# Altium PCB Fastino-DIOT.PCBDOC (part 1 of 22) (continued)
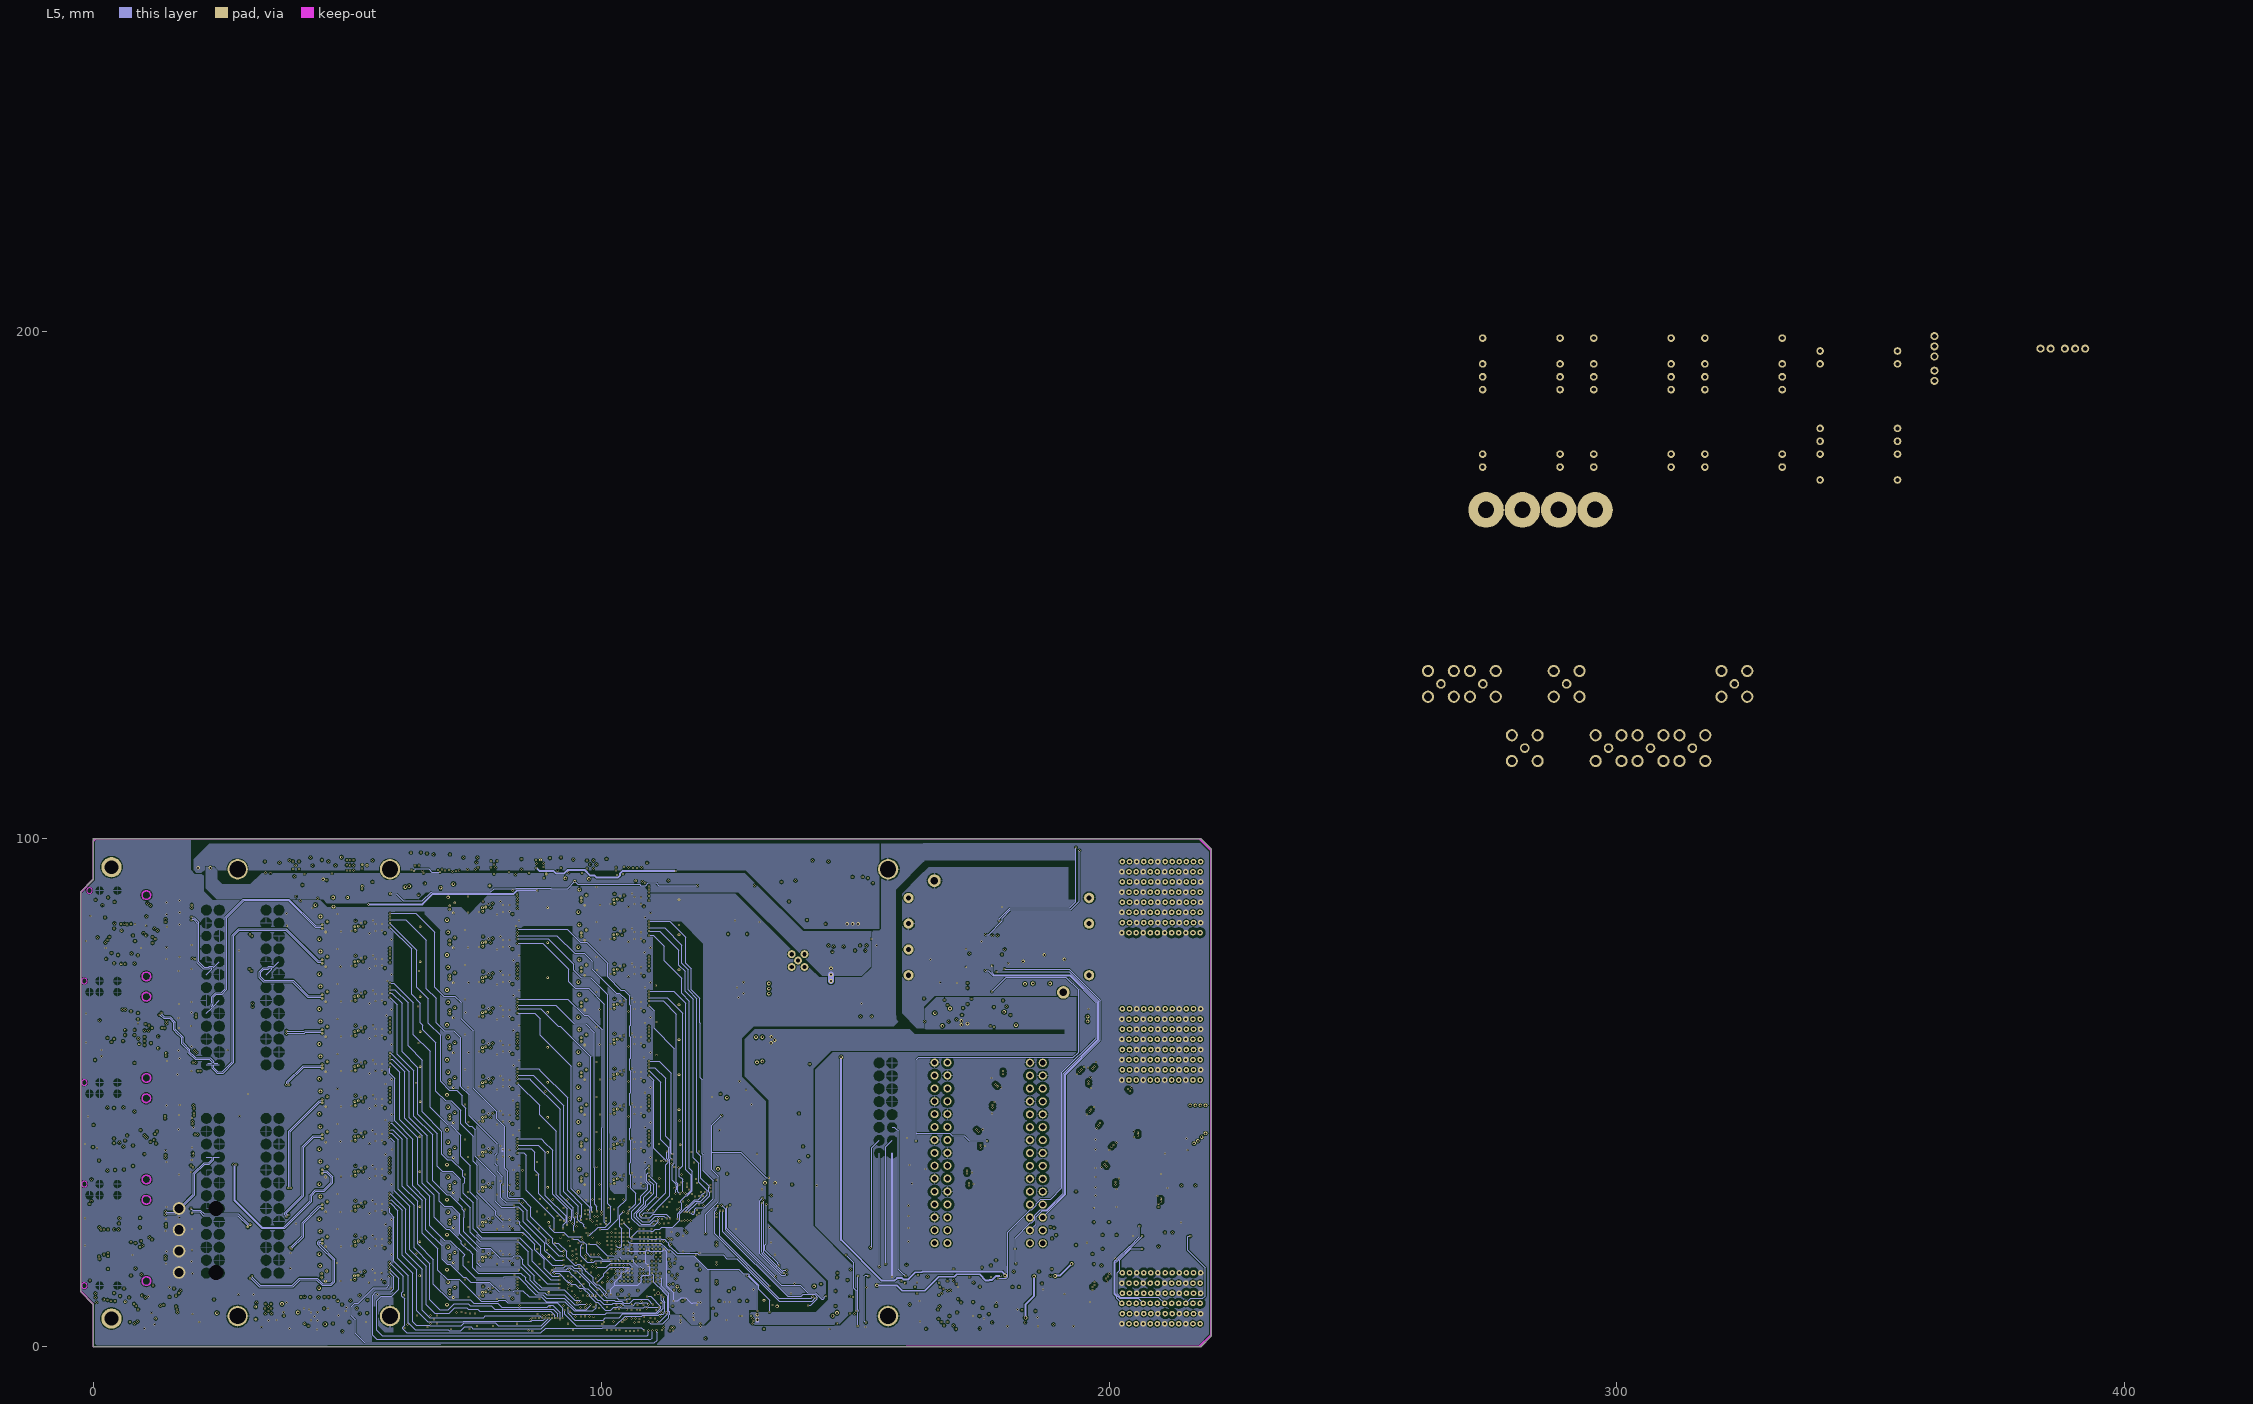
[diagram p5: L5]
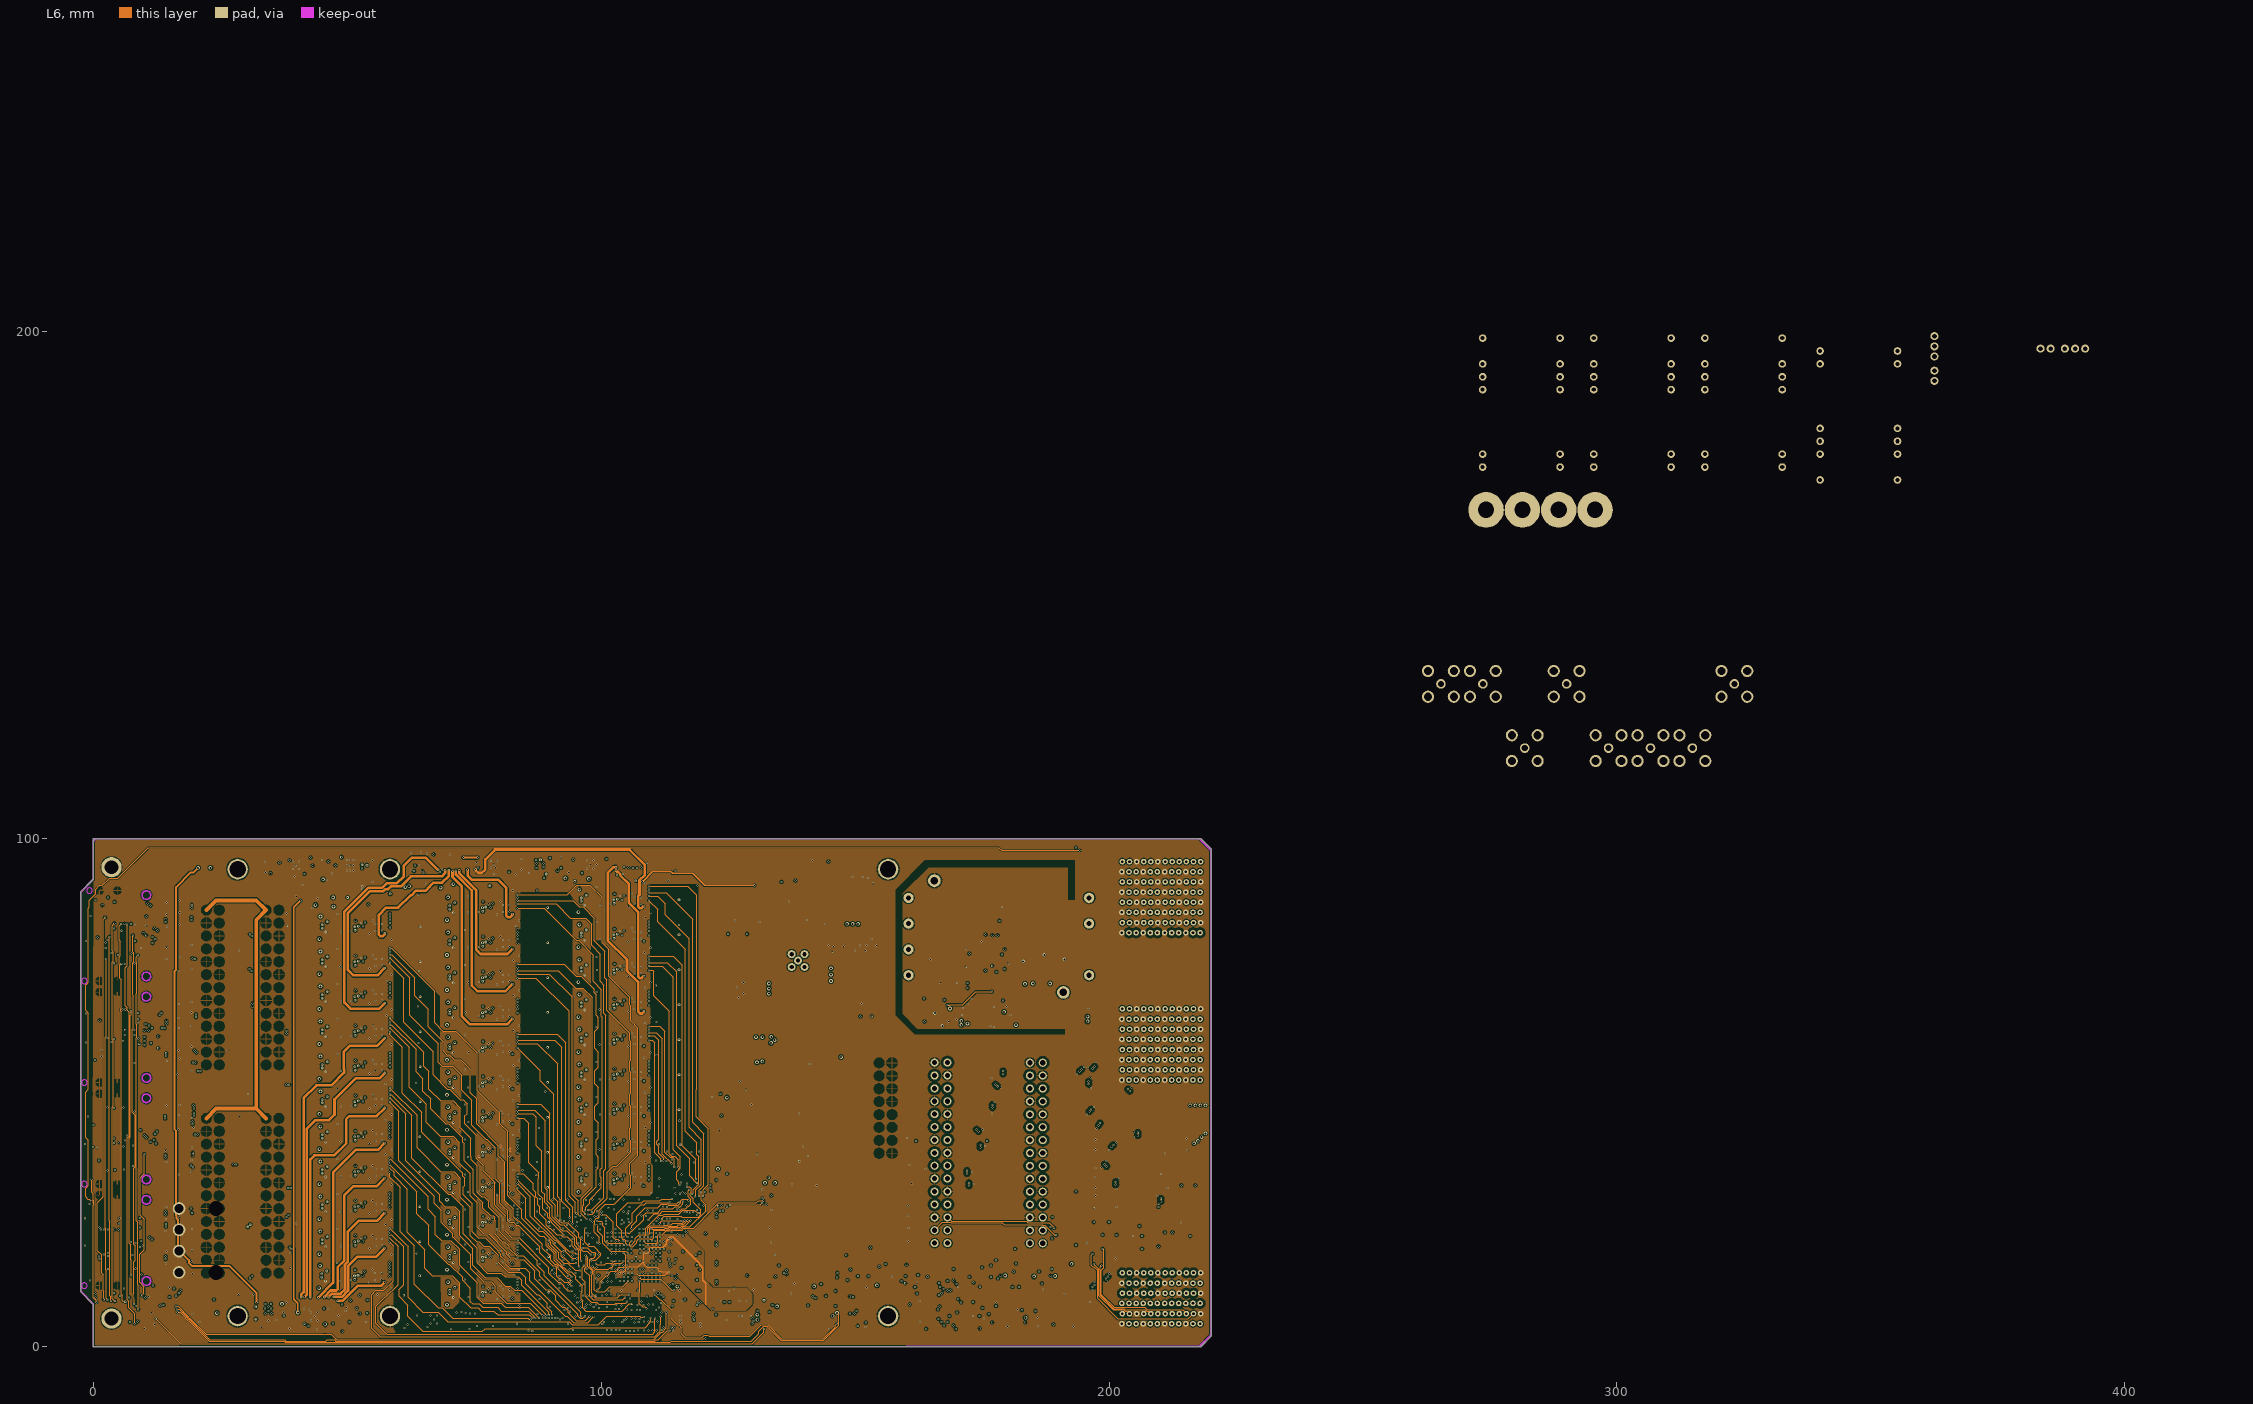
[diagram p6: L6]
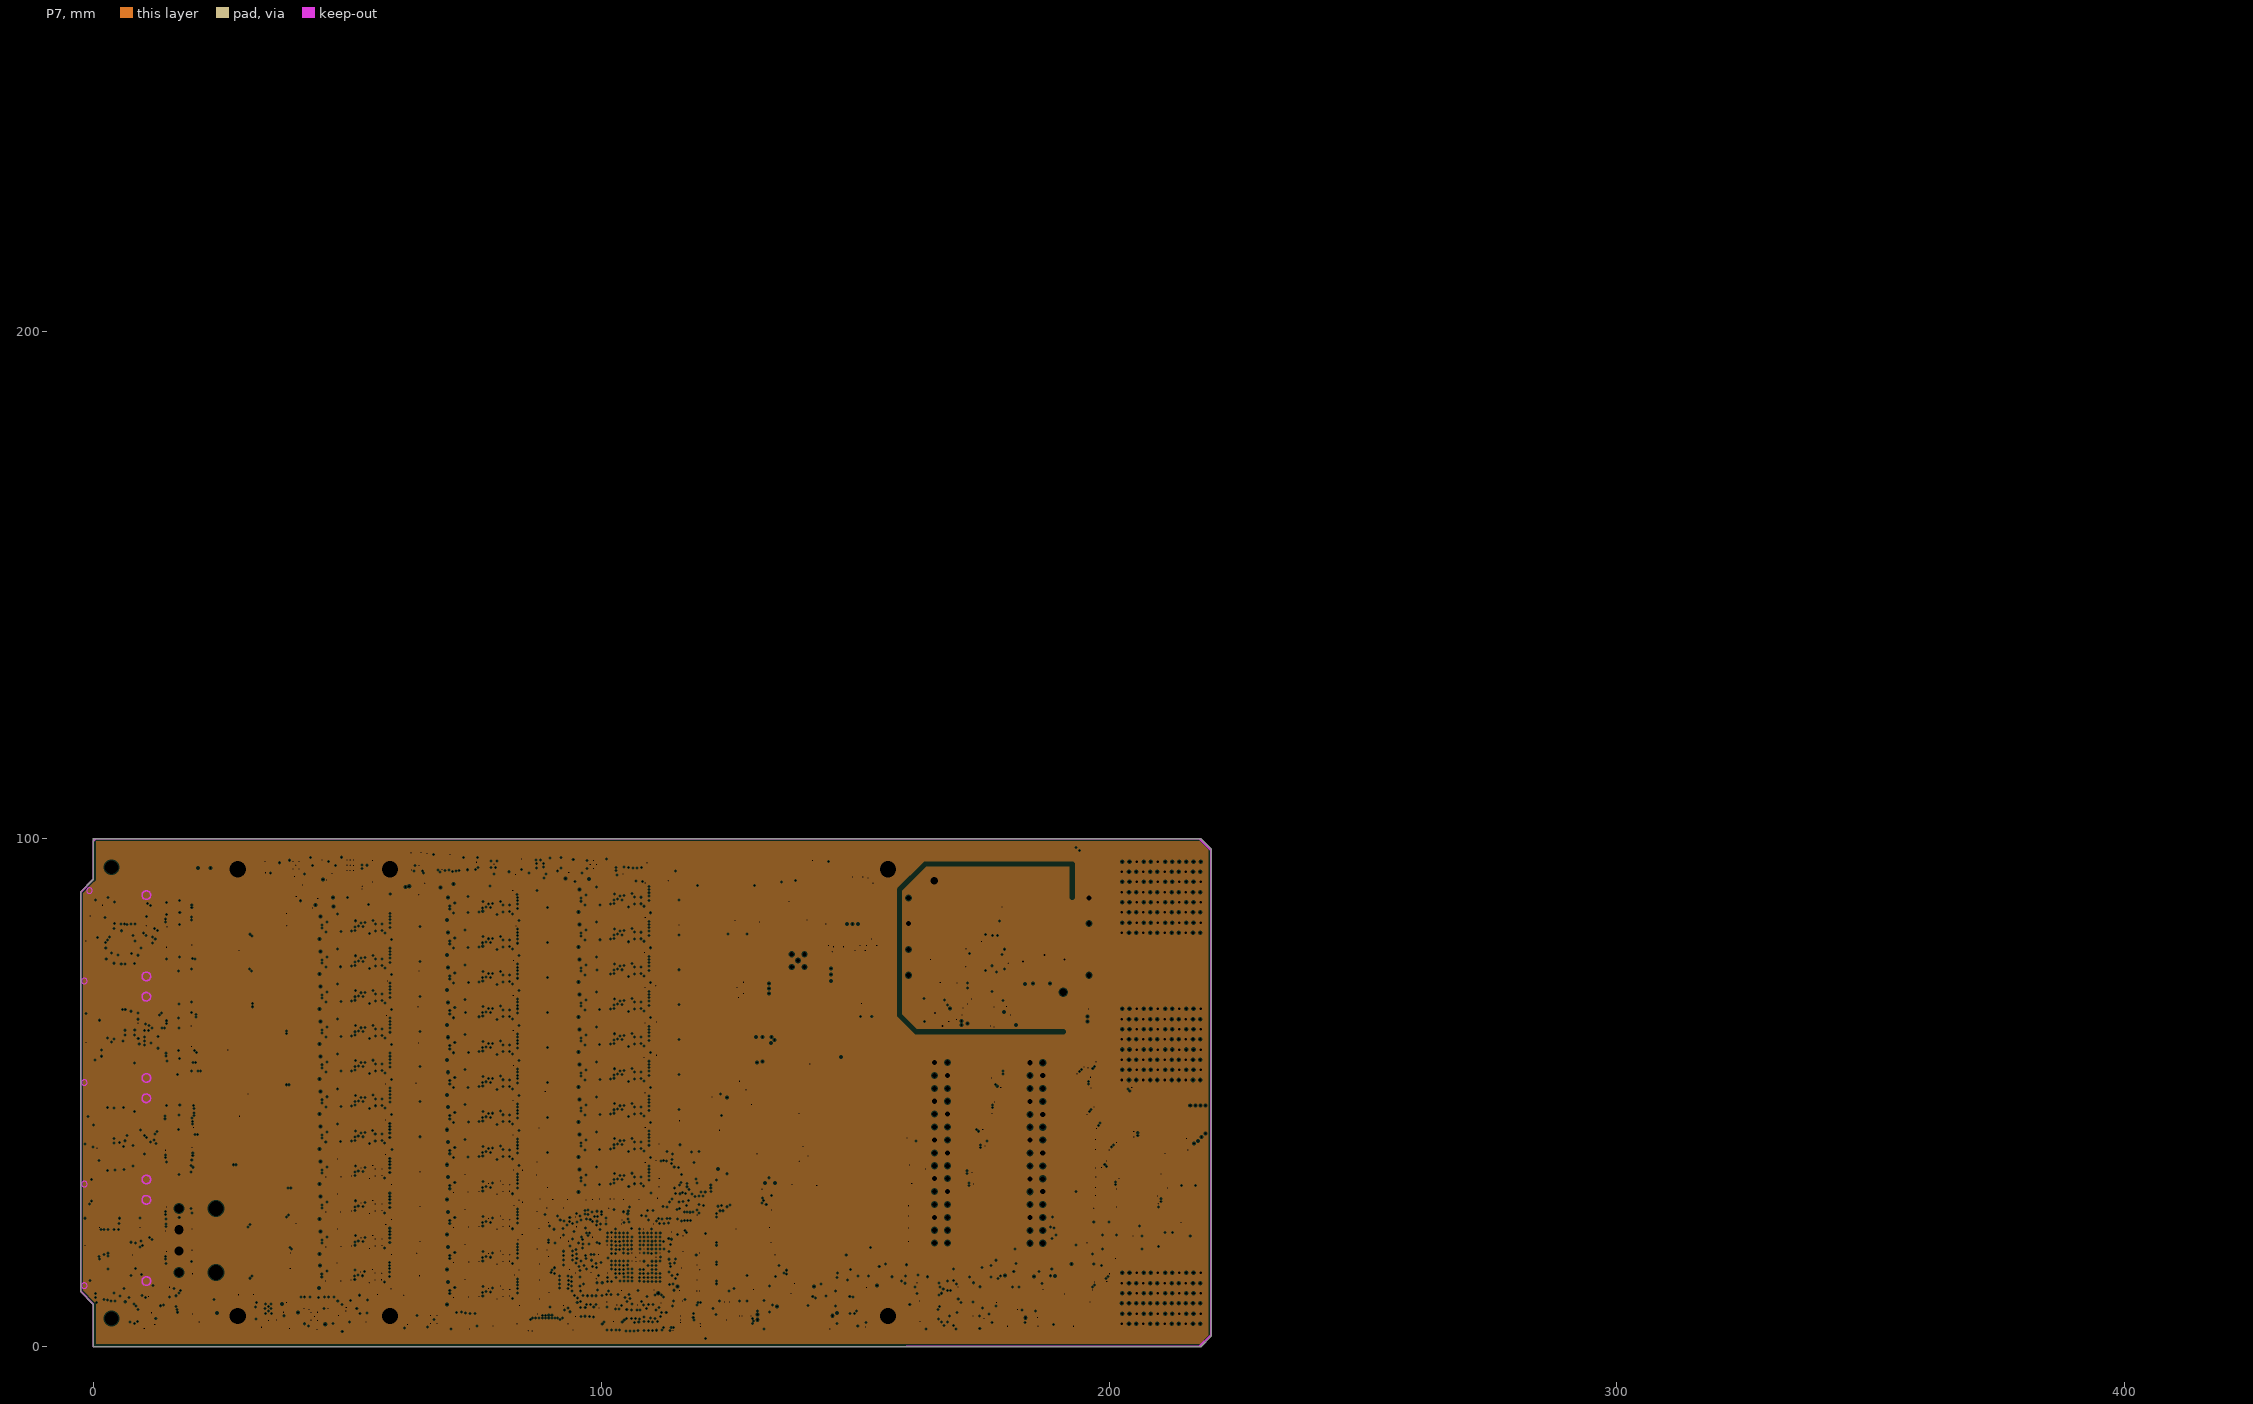
[diagram p7: P7, clearances drawn from the general rule]

## Layer stack, top to bottom
Top Solder: solder mask 0.034, Solder Resist, Dk 3.5
L1: signal copper 0.035
Dielectric1: prepreg 0.18, FR4, Dk 4.2
L2: signal copper 0.018
Dielectric 9: core 0.1016, FR4, Dk 4.5
L3: signal copper 0.018
Dielectric 1: prepreg 0.36, FR4, Dk 4.2
P4: plane copper 0.018, net GND
Dielectric 2: core 0.1016, FR4, Dk 4.5
L5: signal copper 0.018
Dielectric 8: prepreg 0.36, FR4, Dk 4.2
L6: signal copper 0.018
Dielectric4: core 0.1016, FR4, Dk 4.2
P7: plane copper 0.018, net GND
Dielectric3: prepreg 0.18, FR4, Dk 4.1
L8: signal copper 0.0356
Bottom Solder: solder mask 0.034, Solder Resist, Dk 3.5

## Board outline
-2.54,10.82 -2.54,22.645 -2.54,89.511 -2.525,89.546 -0.05,92.021 -0.05,100 0,100.05 218.039,100.05 218.075,100.036 220.074,98.036 220.089,98 220.089,2 220.074,1.964 218.075,-0.036 218.039,-0.05 92.814,-0.05 92.809,-0.051 75,-0.051 74.996,-0.05 0,-0.05 -0.05,0 -0.05,8.299

## Design rules (kind name [scope] priority, off if disabled: settings)
AcuteAngle [All] p1 off: minimum=3.00000000000000E+0001 checktracksonly=FALSE
Clearance Clearance_LVDS [InNetClass('LVDS')] p1: gap=0.127 ignorepadtopadclearanceinfootprint=FALSE except(0.5: Arc-Poly Track-Poly SMDPad-Poly THPad-Poly Via-Poly Fill-Poly Poly-Poly)
Clearance Clearance_xtalk [InNetClass('xtalk analogue') vs InNetClass('xtalk digital')] p2: gap=0.203 ignorepadtopadclearanceinfootprint=TRUE except(0: Arc-Hole Track-Hole SMDPad-Hole THPad-Hole Via-Hole Fill-Hole Poly-Hole Region-Hole Text-Hole; 0.127: Arc-Arc Arc-Track Arc-SMDPad Arc-THPad Arc-Text Track-Track Track-SMDPad Track-THPad Track-Text SMDPad-SMDPad SMDPad-THPad SMDPad-Via SMDPad-Text THPad-THPad THPad-Via THPad-Text Via-Via Via-Text Fill-Text Poly-Text Region-Text Text-Text; 0.381: Arc-Via Track-Via) // Vias cause digital to analogue crosstalk
Clearance Clearance_polyGND [InNet('GND')] p3: gap=0.127 ignorepadtopadclearanceinfootprint=FALSE except(0: Arc-Hole Track-Hole SMDPad-Hole THPad-Hole Via-Hole Fill-Hole Poly-Hole Region-Hole Text-Hole; 0.2: Arc-Poly Track-Poly SMDPad-Poly THPad-Poly Via-Poly Fill-Poly Poly-Poly)
Clearance Clearance_poly1V2 [InNet('P1V2')] p4: gap=0.127 ignorepadtopadclearanceinfootprint=FALSE except(0: Arc-Hole Track-Hole SMDPad-Hole THPad-Hole Via-Hole Fill-Hole Poly-Hole Region-Hole Text-Hole)
Clearance Clearance_poly2V5 [InNet('P2V5')] p5: gap=0.127 ignorepadtopadclearanceinfootprint=FALSE except(0: Arc-Hole Track-Hole SMDPad-Hole THPad-Hole Via-Hole Fill-Hole Poly-Hole Region-Hole Text-Hole)
Clearance Clearance_balancing [InNamedPolygon('balancing')] p6: gap=1.27 ignorepadtopadclearanceinfootprint=FALSE except(0.635: Via-Via Via-Fill Via-Poly Via-Region Via-Text Via-Hole)
Clearance [All] p7: gap=0.127 ignorepadtopadclearanceinfootprint=FALSE except(0: Arc-Hole Track-Hole SMDPad-Hole THPad-Hole Via-Hole Fill-Hole Poly-Hole Region-Hole Text-Hole; 0.203: Arc-Poly Track-Poly SMDPad-Poly THPad-Poly Via-Poly Fill-Poly Poly-Poly)
ComponentClearance [All] p1: gap=0.025 collisioncheckmode=3 verticalgap=0.025 showdistances=FALSE
DiffPairsRouting [All] p1: maxlimit=0.152 minlimit=0.127 mostfreqgap=0.152 toplayer_minwidth=0.127 toplayer_maxwidth=0.152 toplayer_prefwidth=0.152 midlayer1_minwidth=0.127 midlayer1_maxwidth=0.152 midlayer1_prefwidth=0.152 midlayer2_minwidth=0.127 midlayer2_maxwidth=0.152 midlayer2_prefwidth=0.152 midlayer3_minwidth=0.127 midlayer3_maxwidth=0.152 midlayer3_prefwidth=0.152 midlayer4_minwidth=0.127 midlayer4_maxwidth=0.152 midlayer4_prefwidth=0.152 bottomlayer_minwidth=0.127 bottomlayer_maxwidth=0.152 bottomlayer_prefwidth=0.152 maxuncoupledlength=20
FabricationTestPointUsage TestPointUsage [All] p1: valid=0 allowmultiple=FALSE
FabricationTestpoint Testpoint [All] p1: side=3 testpointundercomponent=TRUE minsize=1.016 maxsize=2.54 preferedsize=1.524 minholesize=0.508 maxholesize=1.016 preferedholesize=0.813 testpointgrid=0.025 allowsidetop=TRUE allowsidebottom=TRUE usegrid=TRUE gridtolerance=0
Height [All] p1: minheight=0 maxheight=40 prefheight=40
HoleSize [All] p1: absolutevalues=TRUE maxlimit=3.81 minlimit=0.025 maxpercent=80.000 minpercent=20.000
HoleToHoleClearance [All] p1: gap=0.025 allowstackedmicrovias=TRUE
Length DIOT [InxSignalClass('DIOT')] p1: maxlimit=90 minlimit=80
Length EEM [InxSignalClass('EEMR')] p2: maxlimit=120 minlimit=100
MinimumSolderMaskSliver [All] p1: minsoldermaskwidth=0.02
PlaneClearance [All] p1: clearance=0.2
PlaneConnect [All] p1: pad.planeconnectstyle=Relief pad.reliefexpansion=0.508 pad.reliefentries=4 pad.reliefconductorwidth=0.254 pad.reliefairgap=0.254 via.planeconnectstyle=Direct via.reliefexpansion=0.508 via.reliefentries=4 via.reliefconductorwidth=0.254 via.reliefairgap=0.254
PolygonConnect [HasFootprint('AMPHENOL_10052825-101LF')   or HasFootprint('AMPHENOL_10052837-101LF')   or     HasFootprint('AMPHENOL_10052838-101LF')] p1: connectstyle=Direct reliefconductorwidth=0.254 reliefentries=4 polygonreliefangle="45 Angle" airgapwidth=0.254
PolygonConnect PolygonConnect_pad [(InPadClass('All Pads'))] p2: thpad.connectstyle=Relief thpad.reliefconductorwidth=0.254 thpad.reliefentries=4 thpad.polygonreliefangle="90 Angle" thpad.airgapwidth=0.254 smdpad.connectstyle=Relief smdpad.reliefconductorwidth=0.254 smdpad.reliefentries=4 smdpad.polygonreliefangle="90 Angle" smdpad.airgapwidth=0.254 via.connectstyle=Direct via.reliefconductorwidth=0.254 via.reliefentries=4 via.polygonreliefangle="90 Angle" via.airgapwidth=0.254
RoomDefinition Fastino-DIOT [InComponentClass('Fastino-DIOT')] p1: confinementstyle=ConfineIn formatcopy=TRUE lockcomponents=FALSE outline 221.199,-0.5 248.999,-0.5 248.999,6 221.199,6
RoomDefinition DAC_Series_Termination8 [InComponentClass('DAC_Series_Termination8')] p2: confinementstyle=ConfineIn formatcopy=TRUE lockcomponents=FALSE outline 80.34,6.528 131.14,6.528 131.14,31.928 80.34,31.928
RoomDefinition DAC_Series_Termination7 [InComponentClass('DAC_Series_Termination7')] p3: confinementstyle=ConfineIn formatcopy=TRUE lockcomponents=FALSE outline 80.34,6.528 131.14,6.528 131.14,31.928 80.34,31.928
RoomDefinition DAC_Series_Termination6 [InComponentClass('DAC_Series_Termination6')] p4: confinementstyle=ConfineIn formatcopy=TRUE lockcomponents=FALSE outline 80.34,6.528 131.14,6.528 131.14,31.928 80.34,31.928
RoomDefinition DAC_Series_Termination5 [InComponentClass('DAC_Series_Termination5')] p5: confinementstyle=ConfineIn formatcopy=TRUE lockcomponents=FALSE outline 80.34,6.528 131.14,6.528 131.14,31.928 80.34,31.928
RoomDefinition DAC_Series_Termination4 [InComponentClass('DAC_Series_Termination4')] p6: confinementstyle=ConfineIn formatcopy=TRUE lockcomponents=FALSE outline 80.34,6.528 131.14,6.528 131.14,31.928 80.34,31.928
RoomDefinition DAC_Series_Termination3 [InComponentClass('DAC_Series_Termination3')] p7: confinementstyle=ConfineIn formatcopy=TRUE lockcomponents=FALSE outline 80.34,6.528 131.14,6.528 131.14,31.928 80.34,31.928
RoomDefinition DAC_Series_Termination2 [InComponentClass('DAC_Series_Termination2')] p8: confinementstyle=ConfineIn formatcopy=TRUE lockcomponents=FALSE outline 90.322,6.934 120.015,6.934 120.015,29.616 90.322,29.616
RoomDefinition DAC_Series_Termination1 [InComponentClass('DAC_Series_Termination1')] p9: confinementstyle=ConfineIn formatcopy=TRUE lockcomponents=FALSE outline 121.234,31.267 94.463,31.267 94.463,16.408 121.234,16.408
RoomDefinition U_Fastino_FPGA [InComponentClass('U_Fastino_FPGA')] p10: confinementstyle=ConfineIn formatcopy=TRUE lockcomponents=FALSE outline 118.186,8.509 96.749,8.509 96.749,26.441 118.186,26.441
RoomDefinition U_Fastino_Supply [InComponentClass('U_Fastino_Supply')] p11: confinementstyle=ConfineIn formatcopy=TRUE lockcomponents=FALSE outline 138.984,95.152 150.139,95.152 150.139,93.066 138.984,93.066
RoomDefinition U_Fastino_References [InComponentClass('U_Fastino_References')] p12: confinementstyle=ConfineIn formatcopy=TRUE lockcomponents=FALSE outline 32.461,11.684 92.075,11.684 92.075,0.94 32.461,0.94
RoomDefinition FPGA_Supply [InComponentClass('FPGA_Supply')] p13: confinementstyle=ConfineIn formatcopy=TRUE lockcomponents=FALSE outline 88.138,0.787 128.859,0.787 128.859,32.395 88.138,32.395
RoomDefinition U_Fastino_FPGA_LVDS [InComponentClass('U_Fastino_FPGA_LVDS')] p14: confinementstyle=ConfineIn formatcopy=TRUE lockcomponents=FALSE outline 140.5,28.865 113.5,28.865 113.5,7.66 140.5,7.66
RoomDefinition U_Fastino_FPGA_Config [InComponentClass('U_Fastino_FPGA_Config')] p15: confinementstyle=ConfineIn formatcopy=TRUE lockcomponents=FALSE outline 154.948,3.491 114.237,3.491 114.237,28.931 154.948,28.931
RoomDefinition DAC_channel8 [InComponentClass('DAC_channel8')] p16: confinementstyle=ConfineIn formatcopy=TRUE lockcomponents=FALSE outline 66.125,28.087 89.798,28.087 89.798,34.615 66.125,34.615
RoomDefinition DAC_channel7 [InComponentClass('DAC_channel7')] p17: confinementstyle=ConfineIn formatcopy=TRUE lockcomponents=FALSE outline 40.974,31.16 64.647,31.16 64.647,37.688 40.974,37.688
RoomDefinition DAC_channel6 [InComponentClass('DAC_channel6')] p18: confinementstyle=ConfineIn formatcopy=TRUE lockcomponents=FALSE outline 66.125,21.2 89.798,21.2 89.798,27.728 66.125,27.728
RoomDefinition DAC_channel5 [InComponentClass('DAC_channel5')] p19: confinementstyle=ConfineIn formatcopy=TRUE lockcomponents=FALSE outline 40.974,24.273 64.647,24.273 64.647,30.801 40.974,30.801
RoomDefinition DAC_channel4 [InComponentClass('DAC_channel4')] p20: confinementstyle=ConfineIn formatcopy=TRUE lockcomponents=FALSE outline 66.125,14.314 89.798,14.314 89.798,20.842 66.125,20.842
RoomDefinition DAC_channel3 [InComponentClass('DAC_channel3')] p21: confinementstyle=ConfineIn formatcopy=TRUE lockcomponents=FALSE outline 40.974,17.387 64.647,17.387 64.647,23.914 40.974,23.914
RoomDefinition DAC_channel2 [InComponentClass('DAC_channel2')] p22: confinementstyle=ConfineIn formatcopy=TRUE lockcomponents=FALSE outline 66.125,7.427 89.798,7.427 89.798,13.955 66.125,13.955
RoomDefinition DAC_channel1 [InComponentClass('DAC_channel1')] p23: confinementstyle=ConfineIn formatcopy=TRUE lockcomponents=FALSE outline 40.919,10.668 64.592,10.668 64.592,17.196 40.919,17.196
RoutingVias RoutingVias_HPWR [InNetClass('Hpower')] p1: holewidth=0.4 width=0.7 viastyle="Through Hole" minholewidth=0.2 minwidth=0.4 maxholewidth=0.711 maxwidth=1.27
RoutingVias [All] p2: holewidth=0.2 width=0.5 viastyle="Through Hole" minholewidth=0.2 minwidth=0.4 maxholewidth=0.711 maxwidth=1.27 useviatemplates=TRUE viatemplateguid#1={4A6B9B9C-A221-4A61-AFEA-1AB58807B9F9} viatemplateguid#2={F3562215-08AF-45A8-96CD-7250AE1BA8D5} viatemplateguid#3={E9C4ADA8-6542-42D9-ACFE-5114F8ADFE76} viatemplatename#1=v40h20m0mx0 viatemplatename#2=v50h20m0mx0 viatemplatename#3=v70h40m0mx0
SilkToSilkClearance [All] p1: silktosilkclearance=0.02
SilkToSolderMaskClearance SilkscreenOverComponentPads [IsPad] p1: minsilkscreentomaskgap=0.02 clearancetoexposedcopper=TRUE
SolderMaskExpansion [All] p1: expansion=0.051 istentingtop=FALSE
SupplyNets "Schematic Supply Nets_34" [InNet('HV_NEG')] p1: voltage=0.000
SupplyNets "Schematic Supply Nets_33" [InNet('P12V0_SW')] p2: voltage=0.000
SupplyNets "Schematic Supply Nets_32" [InNet('N24VA')] p3: voltage=0.000
SupplyNets "Schematic Supply Nets_31" [InNet('P24VA')] p4: voltage=0.000
SupplyNets "Schematic Supply Nets_30" [InNet('HV_POS')] p5: voltage=0.000
SupplyNets "Schematic Supply Nets_29" [InNet('P12V0')] p6: voltage=0.000
SupplyNets "Schematic Supply Nets_28" [InNet('P12V0A')] p7: voltage=0.000
SupplyNets "Schematic Supply Nets_27" [InNet('Vaux1')] p8: voltage=0.000
SupplyNets "Schematic Supply Nets_26" [InNet('REF_P5V0')] p9: voltage=0.000
SupplyNets "Schematic Supply Nets_25" [InNet('P6V0')] p10: voltage=0.000
SupplyNets "Schematic Supply Nets_23" [InNet('P3V3_buck')] p11: voltage=0.000
SupplyNets "Schematic Supply Nets_22" [InNet('P5V4A')] p12: voltage=0.000
SupplyNets "Schematic Supply Nets_21" [InNet('P12V0F')] p13: voltage=0.000
SupplyNets "Schematic Supply Nets_20" [InNet('CHASSIS')] p14: voltage=0.000
SupplyNets "Schematic Supply Nets_19" [InNet('P3V3')] p15: voltage=0.000
SupplyNets "Schematic Supply Nets_18" [InNet('N12V0A')] p16: voltage=0.000
SupplyNets "Schematic Supply Nets_17" [InNet('GND')] p17: voltage=0.000
SupplyNets "Schematic Supply Nets_16" [InNet('P2V5')] p18: voltage=0.000
SupplyNets "Schematic Supply Nets_15" [InNet('P12V0_CPCIS')] p19: voltage=0.000
SupplyNets "Schematic Supply Nets_14" [InNet('P3V3A')] p20: voltage=0.000
SupplyNets "Schematic Supply Nets_13" [InNet('P3V3_MP_B')] p21: voltage=0.000
SupplyNets "Schematic Supply Nets_12" [InNet('P6V0A')] p22: voltage=0.000
SupplyNets "Schematic Supply Nets_11" [InNet('N13V0S')] p23: voltage=0.000
SupplyNets "Schematic Supply Nets_8" [InNet('P3V3_INIT')] p24: voltage=0.000
SupplyNets "Schematic Supply Nets_7" [InNet('P13V0S')] p25: voltage=0.000
SupplyNets "Schematic Supply Nets_6" [InNet('N13V0')] p26: voltage=0.000
SupplyNets "Schematic Supply Nets_5" [InNet('Vaux2')] p27: voltage=0.000
SupplyNets "Schematic Supply Nets_3" [InNet('P13V0')] p28: voltage=0.000
SupplyNets "Schematic Supply Nets_2" [InNet('P3V3_MP')] p29: voltage=0.000
SupplyNets "Schematic Supply Nets" [InNet('P1V2')] p30: voltage=0.000
ViasUnderSMD ViasUnderSMD_allow [HasFootprint('QFN50P300X300X80-17N-S175') or  HasFootprint('SOP50P490X110-11N-R168X198')  or  HasFootprint('SON50P300X300X80-11N-R175X248') or HasFootprint('SON50P200X300X80-11N-R94X250') or HasFootprint('CAPMP3216X180N')   or HasFootprint('SON65P200X200X80-7N-R65X145') or HasFootprint('SON45P300X300X80-13N-R175X248')] p1: allowed=TRUE
ViasUnderSMD [All] p2: allowed=FALSE
Width Width_HPWR [InNetClass('Hpower')] p1: maxlimit=2 minlimit=0.254 preferedwidth=0.508
Width [All] p2: maxlimit=1.27 minlimit=0.127 preferedwidth=0.127
18 further rules are at their usual default settings.
